# Altium PCB 3CHOE.PcbDoc (part 3 of 3)
Units mm, origin at the board's own origin, x right, y up, seen from the top; angles counter-clockwise.
Board outline 120.98 x 120.98 mm, 2 copper layers (Top Layer, Bottom Layer); 206 components, 141 nets, 709 pads, 2434 vias.
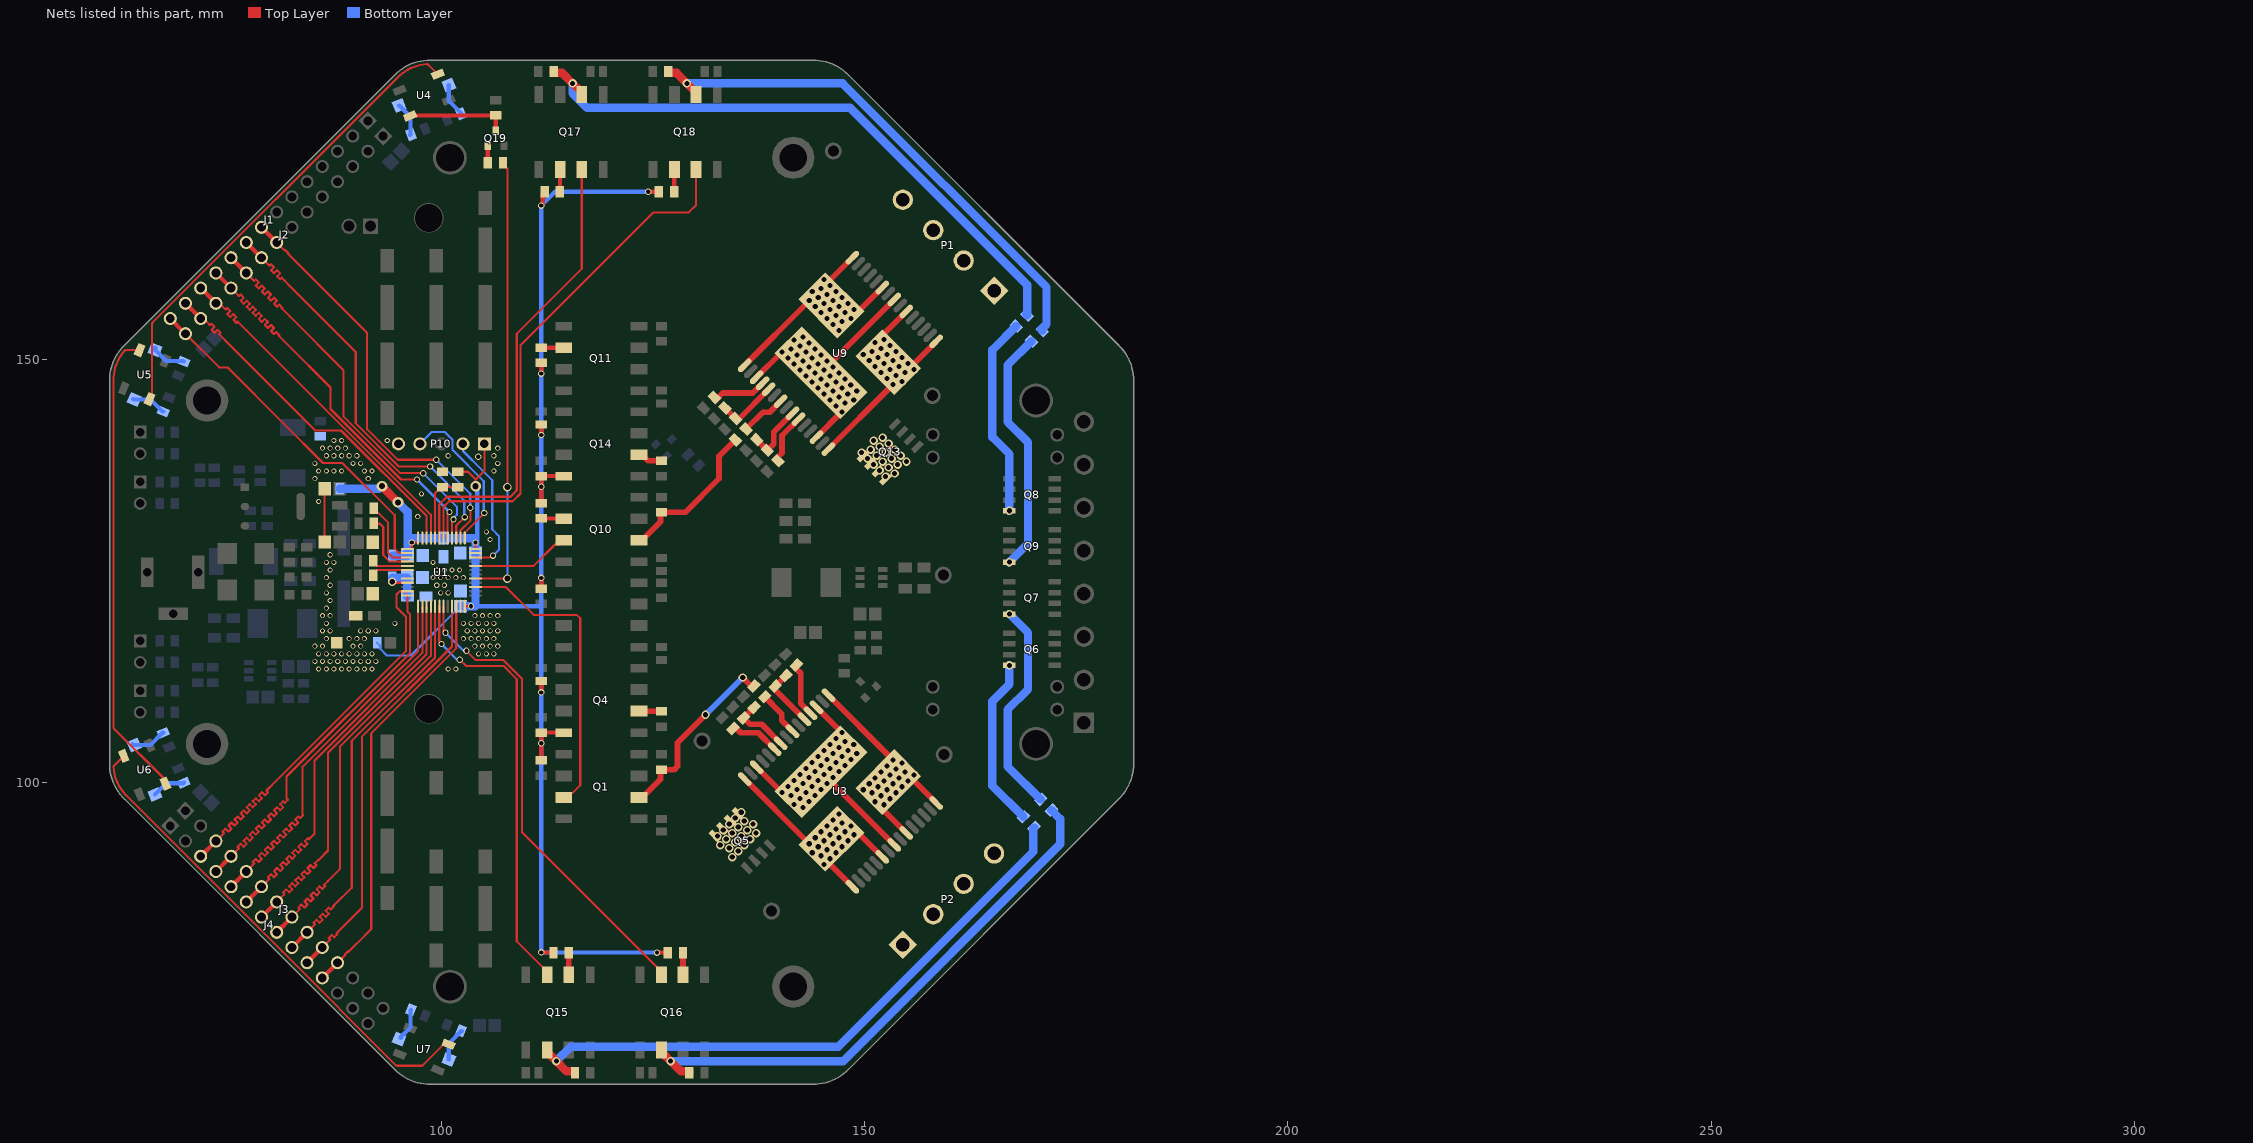
[diagram p3: the nets of this part, all layers, seen from the top]

## Via types
v1: diameter 0.6, hole 0.4, Top Layer to Bottom Layer, tented both sides, 2060 vias
v2: diameter 1, hole 0.6, Top Layer to Bottom Layer, tented both sides, 297 vias
v3: diameter 0.75, hole 0.5, Top Layer to Bottom Layer, tented both sides, 45 vias
v4: diameter 1, hole 0.68, Top Layer to Bottom Layer, tented both sides, 26 vias
v5: diameter 1.27, hole 0.711, Top Layer to Bottom Layer, tented both sides, 5 vias
v6: diameter 2, hole 1.5, Top Layer to Bottom Layer, tented both sides, 1 vias

## Nets (pads, with @x,y where several pads share a name; then routed paths per layer and width w, separated by ;. In a path a pad name is that pad's centre, name@x,y a point inside that pad or via, vN(x,y) a via of type N, cw(c..) or ccw(c..) an arc to the next point about the centre after c; other vN are vias at no path point) (continued)
NetQ4_2: Q4.2 R10.2 | length 2.7
  Top Layer w0.68: Q4.2@123.35,108.43 123.365,108.415 125.985,108.415 R10.2@126,108.4
NetQ6_4: Q6.4 R1.1 | length 20.2
  Bottom Layer w1: v2(167.1,113.83) 167.1,111.6 165.1,109.6 165.1,99.6 R1.1@168.75,95.95
NetQ7_4: Q7.4 R2.1 | length 25.4
  Bottom Layer w1: v2(167.1,119.9) 169.3,117.7 169.3,111 166.9,108.6 166.9,101.9 R2.1@170.8,98
NetQ8_4: Q8.4 R18.1 | length 23.8
  Bottom Layer w1: v2(167.1,132.1) 167.1,138.8 165.1,140.8 165.1,151.1 R18.1@167.92,153.92
NetQ9_4: Q9.4 R20.1 | length 29.2
  Bottom Layer w1: v2(167.1,126.03) 169.3,128.23 169.3,140.2 166.9,142.6 166.9,149.3 R20.1@169.72,152.12
NetQ10_2: Q10.2 R37.2 | length 2.7
  Top Layer w0.5: R37.2@111.8,131.2 111.815,131.185 114.435,131.185 Q10.2@114.45,131.17
NetQ11_2: Q11.2 R40.2 | length 2.7
  Top Layer w0.5: R40.2@111.8,151.37 Q11.2@114.45,151.37
NetQ14_2: Q14.2 R42.2 | length 3
  Top Layer w0.68: Q14.2@123.35,138.73 123.715,138.73 124.01,138.435 124.01,138.398 124.408,138 R42.2@126,138
NetQ15_2: Q15.2 R61.2 | length 2.6
  Top Layer w0.68: Q15.2@115.04,77.282 R61.2@115.04,79.9
NetQ15_6: Q15.6 R1.2 R62.1 | length 74.2
  Top Layer w1: Q15.6@112.5,68.382 112.5,68.017 112.635,67.882 112.77,67.882 v2(113.57,67.082) 114.795,65.857 115.78,65.857 R62.1@115.78,65.682
  Bottom Layer w1: v2(113.57,67.082) 115.288,68.8 146.9,68.8 169.899,91.799 169.899,94.553 R1.2@170.023,94.677
NetQ16_2: Q16.2 R63.2 | length 2.6
  Top Layer w0.68: Q16.2@128.54,77.282 R63.2@128.54,79.9
NetQ16_6: Q16.6 R2.2 R64.1 | length 65.8
  Top Layer w1: Q16.6@126,68.382 126,68.017 126.135,67.882 126.27,67.882 v2(127.07,67.082) 128.295,65.857 129.28,65.857 R64.1@129.28,65.682
  Bottom Layer w1: v2(127.07,67.082) 147.482,67.082 173.1,92.7 173.1,95.7 R2.2@172.073,96.727
NetQ17_2: Q17.2 R65.2 | length 2.6
  Top Layer w0.5: R65.2@114,169.8 114.015,169.815 114.015,172.385 Q17.2@114.03,172.4
NetQ17_6: Q17.6 R18.2 R66.1 | length 72.7
  Top Layer w1: R66.1@113.29,184 113.29,183.825 114.275,183.825 v2(115.5,182.6) 116.3,181.8 116.435,181.8 116.57,181.665 Q17.6@116.57,181.3
  Bottom Layer w1: v2(115.5,182.6) 115.5,181.4 117.2,179.7 148.3,179.7 169.192,158.808 169.192,155.44 169.069,155.316 R18.2@169.192,155.192
NetQ18_2: Q18.2 R67.2 | length 2.6
  Top Layer w0.5: R67.2@127.5,169.8 127.515,169.815 127.515,172.385 Q18.2@127.53,172.4
NetQ18_6: Q18.6 R20.2 R68.1 | length 62.6
  Top Layer w1: R68.1@126.79,184 126.79,183.825 127.775,183.825 v2(129,182.6) 129.8,181.8 129.935,181.8 130.07,181.665 Q18.6@130.07,181.3
  Bottom Layer w1: v2(129,182.6) 147.4,182.6 171.486,158.514 171.486,154.133 170.869,153.516 R20.2@170.992,153.392
NetQ19_1: Q19.1 R26.1 | length 2
  Top Layer w0.5: R26.1@105.475,173.2 Q19.1@105.475,175.215
NetQ19_3: Q19.3 R25.1 U4.4 | length 12
  Top Layer w0.5: U4.4@96.309,178.736 96.309,178.811 R25.1@106.425,178.811 Q19.3@106.425,176.985
NetR12_2: R12.2 R14.1 U3.5 | length 7
  Top Layer w0.68: R14.1@139.331,111.263 139.331,111.037 U3.5@142.898,107.471 ; R14.1@139.444,111.376 R12.2@140.694,112.626
NetR13_1: R13.1 U3.4 | length 6.5
  Top Layer w0.68: R13.1@141.944,113.876 141.82,113.752 141.82,113.526 142.444,112.902 142.444,109.339 U3.4@143.605,108.178
NetR15_1: R15.1 U3.7 | length 5.4
  Top Layer w0.68: R15.1@138.194,110.126 140.194,108.126 140.194,107.346 U3.7@141.484,106.057
NetR16_1: R16.1 R19.2 U3.9 | length 7.4
  Top Layer w0.68: R19.2@136.944,108.876 R16.1@135.694,107.626 136.444,106.876 137.836,106.876 U3.9@140.069,104.642
NetR17_1: R17.1 U3.10 | length 6
  Top Layer w0.68: R17.1@134.444,106.376 134.536,106.468 134.762,106.468 135.354,105.876 137.422,105.876 U3.10@139.362,103.935
NetR27_1: R27.1 SW5.1 | length 3.9
  Bottom Layer w0.5: SW5.1@100.875,182.413 100.875,180.525 R27.1@102.3,179.1
NetR28_1: R28.1 SW6.1 | length 4.3
  Bottom Layer w0.5: SW6.1@66.2,151.4 66.2,151.075 67.488,149.787 69.507,149.787 R28.1@69.574,149.72
NetR29_1: R29.1 SW7.1 | length 4.2
  Bottom Layer w0.5: SW7.1@63.5,104.5 63.56,104.44 65.606,104.44 67.033,105.867 R29.1@67.128,105.867
NetR44_2: R44.2 R46.1 U9.5 | length 7
  Top Layer w0.68: R44.2@133.5,144.25 R46.1@134.75,143 ; R46.1@134.863,142.887 135.089,142.887 U9.5@138.655,146.454
NetR45_1: R45.1 U9.4 | length 6.5
  Top Layer w0.68: R45.1@132.25,145.5 132.374,145.376 132.6,145.376 133.224,146 136.787,146 U9.4@137.948,147.161
NetR47_1: R47.1 U9.7 | length 5.4
  Top Layer w0.68: R47.1@136,141.75 138,143.75 138.78,143.75 U9.7@140.069,145.04
NetR48_1: R48.1 R51.2 U9.9 | length 7.4
  Top Layer w0.68: R51.2@137.25,140.5 R48.1@138.5,139.25 139.25,140 139.25,141.392 U9.9@141.484,143.625
NetR49_1: R49.1 U9.10 | length 6
  Top Layer w0.68: R49.1@139.75,138 139.658,138.092 139.658,138.318 140.25,138.91 140.25,140.978 U9.10@142.191,142.918
NetR50_1: R50.1 SW8.1 | length 3.8
  Bottom Layer w0.5: SW8.1@95.2,69.8 95.2,69.905 96.339,71.044 96.339,73.063 R50.1@96.406,73.13
NetR52_2: R52.2 R53.2 U1.44 | length 8.3
  Top Layer w0.254: U1.44@99.25,128.866 99.25,134.2 99.95,134.9 R52.2@100.125,134.9 R53.2@101.925,134.9
NetR74_2: R74.2 U1.3 | length 8.6
  Top Layer w0.254: R74.2@92,132.4 92,132.225 92.373,131.852 92.548,131.852 93.7,130.7 93.7,127.1 94.209,126.591 U1.3@95.975,126.591
NetR75_2: R75.2 U1.4 | length 7.8
  Top Layer w0.254: R75.2@92,130.6 92.031,130.569 92.732,130.569 93.127,130.174 93.127,126.873 93.909,126.091 U1.4@95.975,126.091
NetR76_2: R76.2 U1.5 | length 4.4
  Top Layer w0.254: R76.2@91.941,126.191 91.941,126.016 92.366,125.591 U1.5@95.975,125.591
NetR77_2: R77.2 U1.6 | length 4.4
  Top Layer w0.254: R77.2@91.941,124.491 91.941,124.666 92.366,125.091 U1.6@95.975,125.091
NetU4_2: U4.2 U5.4 | length 55.8
  Top Layer w0.254: U5.4@65.515,145.29 65.821,145.596 65.821,154.174 cw(c66.075,154.174) 65.895,154.354 94.805,183.263 ccw(c94.484,183.584) 94.81,183.269 cw(c98.611,179.581) 98.248,184.864 cw(c98.263,184.611) 98.443,184.79 U4.2@99.573,183.66
NetU5_2: U5.2 U6.4 | length 55.8
  Top Layer w0.254: U5.2@64.342,151.08 62.742,151.08 ccw(c62.742,150.826) 62.553,150.995 ccw(c66.545,147.515) 61.25,147.435 cw(c60.796,147.428) 61.25,147.428 61.25,106.543 ccw(c61.504,106.543) 61.324,106.364 67.39,100.298 U6.4@67.39,99.865
NetU6_2: U6.2 U7.4 | length 57.9
  Top Layer w0.254: U6.2@62.466,103.129 61.335,101.998 ccw(c61.515,101.819) 61.262,101.803 ccw(c66.545,102.167) 62.726,98.498 62.727,98.497 ccw(c70.048,105.561) 62.741,98.483 ccw(c62.923,98.659) 62.744,98.48 81.177,80.046 94.62,66.603 ccw(c94.8,66.783) 94.8,66.529 97.632,66.529 ccw(c97.632,66.783) 97.812,66.603 100.279,69.071 U7.4@100.836,69.071
OUTA: P1.3 P1.4 U9.1 U9.25 U9.30 U9.32 | length 27.3
  Top Layer w0.68: U9.1@135.827,149.282 143.138,156.594 143.455,156.594 145.223,156.594 U9.32@145.839,156.594 ; U9.30@148.555,162.01 145.839,159.295 145.839,158.693 145.839,157.632 U9.32@145.839,156.594 ; U9.25@152.09,158.475 149.375,155.759 148.758,155.759 147.698,155.759 146.674,155.759 U9.32@146.08,156.353 U9.32@145.839,156.594
  other v2: 146.991,153.39 146.284,154.097 147.344,154.45 145.576,154.804 148.405,154.804 146.637,155.157 144.869,155.511 147.698,155.511 145.93,155.864 148.758,155.864 144.162,156.218 146.991,156.218 145.223,156.571 148.051,156.571 143.455,156.925 146.284,156.925 144.516,157.279 147.344,157.279 145.576,157.632 143.809,157.986 146.637,157.986 144.869,158.339 145.93,158.693 145.223,159.4
OUTA-1: P2.3 P2.4 U3.1 U3.25 U3.30 U3.32 | length 27.3
  Top Layer w0.68: U3.1@145.726,110.299 153.038,102.988 153.038,102.671 153.038,100.903 U3.32@153.038,100.287 ; U3.25@154.919,94.036 152.203,96.751 152.203,97.368 152.203,98.428 152.203,99.452 U3.32@152.797,100.046 U3.32@153.038,100.287 ; U3.30@158.454,97.571 155.739,100.287 155.137,100.287 154.076,100.287 U3.32@153.038,100.287
  other v2: 152.308,97.368 151.248,97.721 153.015,98.075 151.955,98.428 150.894,98.782 153.723,98.782 149.834,99.135 152.662,99.135 151.601,99.489 154.43,99.489 150.541,99.842 153.369,99.842 152.308,100.196 155.137,100.196 151.248,100.55 154.076,100.55 153.015,100.903 155.844,100.903 151.955,101.257 154.783,101.257 153.723,101.61 152.662,101.964 154.43,102.317 153.369,102.671
OUTB: P1.1 P1.2 U9.15 U9.16 U9.21 U9.33 | length 27.3
  Top Layer w0.68: U9.15@145.726,139.383 153.038,146.694 153.038,147.011 153.038,148.779 U9.33@153.038,149.395 ; U9.21@154.919,155.646 152.203,152.931 152.203,152.314 152.203,151.254 152.203,150.23 U9.33@152.797,149.636 U9.33@153.038,149.395 ; U9.16@158.454,152.111 155.739,149.395 155.137,149.395 154.076,149.395 U9.33@153.038,149.395
  other v2: 153.369,147.011 154.43,147.365 152.662,147.718 153.723,148.072 151.955,148.425 154.783,148.425 153.015,148.779 155.844,148.779 151.248,149.132 154.076,149.132 152.308,149.486 155.137,149.486 150.541,149.84 153.369,149.84 151.601,150.193 154.43,150.193 149.834,150.547 152.662,150.547 150.894,150.9 153.723,150.9 151.955,151.254 153.015,151.607 151.248,151.961 152.308,152.314
OUTB-1: P2.1 P2.2 U3.15 U3.16 U3.21 U3.33 | length 27.3
  Top Layer w0.68: U3.15@135.827,100.4 143.138,93.088 143.455,93.088 145.223,93.088 U3.33@145.839,93.088 ; U3.16@148.555,87.672 145.839,90.387 145.839,90.989 145.839,92.05 U3.33@145.839,93.088 ; U3.21@152.09,91.207 149.375,93.923 148.758,93.923 147.698,93.923 146.674,93.923 U3.33@146.08,93.329 U3.33@145.839,93.088
  other v2: 145.223,90.282 145.93,90.989 144.869,91.343 143.809,91.696 146.637,91.696 145.576,92.05 144.516,92.403 147.344,92.403 143.455,92.757 146.284,92.757 145.223,93.111 148.051,93.111 144.162,93.464 146.991,93.464 145.93,93.818 148.758,93.818 144.869,94.171 147.698,94.171 146.637,94.525 145.576,94.878 148.405,94.878 147.344,95.232 146.284,95.585 146.991,96.292
PA1: J3.3 J4.3 U1.11 | length 50
  Top Layer w0.254: J3.3@73.353,93.073 73.37,93.073 74.214,93.916 74.303,94.006 74.124,94.186 74.483,94.545 74.842,94.186 75.201,94.545 74.842,94.904 75.201,95.263 75.561,94.904 75.92,95.263 75.561,95.622 75.92,95.982 76.279,95.622 76.638,95.982 76.279,96.341 76.638,96.7 76.997,96.341 77.357,96.7 76.997,97.059 77.357,97.419 77.716,97.059 78.075,97.419 77.716,97.778 78.075,98.137 78.434,97.778 78.793,98.137 78.434,98.496 78.793,98.855 79.153,98.496 79.512,98.855 79.325,99.042 79.684,99.401 79.691,99.394 79.949,99.651 95.8,115.503 95.8,119.604 94.7,120.704 94.7,122.2 95.089,122.589 95.973,122.589 U1.11@95.975,122.591
  Top Layer w0.5: J4.3@71.557,91.277 J3.3@73.353,93.073
PA2: J3.4 J4.4 U1.12 | length 50
  Top Layer w0.254: J3.4@75.149,91.277 76.001,92.129 76.091,92.219 75.911,92.398 76.27,92.758 76.629,92.398 76.989,92.758 76.629,93.117 76.989,93.476 77.348,93.117 77.707,93.476 77.348,93.835 77.707,94.194 78.066,93.835 78.425,94.194 78.066,94.554 78.425,94.913 78.785,94.554 79.144,94.913 78.785,95.272 79.144,95.631 79.503,95.272 79.862,95.631 79.503,95.991 79.862,96.35 80.221,95.991 80.581,96.35 80.221,96.709 80.581,97.068 80.94,96.709 81.299,97.068 80.94,97.427 81.299,97.787 81.484,97.601 81.844,97.961 81.7,98.104 81.7,98.3 81.7,100.696 96.3,115.296 96.3,119.874 95.975,120.199 U1.12@95.975,122.091
  Top Layer w0.5: J4.4@73.353,89.481 J3.4@75.149,91.277
PA3: J3.5 J4.5 U1.13 | length 50
  Top Layer w0.254: J3.5@76.945,89.481 77.797,90.333 77.887,90.423 77.707,90.602 78.066,90.962 78.425,90.602 78.785,90.962 78.425,91.321 78.785,91.68 79.144,91.321 79.503,91.68 79.144,92.039 79.503,92.398 79.862,92.039 80.221,92.398 79.862,92.758 80.221,93.117 80.581,92.758 80.94,93.117 80.581,93.476 80.94,93.835 81.299,93.476 81.658,93.835 81.299,94.194 81.658,94.554 82.018,94.194 82.377,94.554 82.018,94.913 82.377,95.272 82.736,94.913 83.095,95.272 82.736,95.631 83.095,95.991 83.298,95.788 83.657,96.147 83.6,96.204 83.6,96.4 83.6,101.873 97.25,115.523 U1.13@97.25,120.816
  Top Layer w0.5: J4.5@75.149,87.685 J3.5@76.945,89.481
PA4: J3.6 J4.6 U1.14 | length 50
  Top Layer w0.254: J3.6@78.741,87.685 79.593,88.537 79.683,88.627 79.503,88.806 79.862,89.166 80.222,88.806 80.581,89.166 80.222,89.525 80.581,89.884 80.94,89.525 81.299,89.884 80.94,90.243 81.299,90.602 81.658,90.243 82.018,90.602 81.658,90.962 82.018,91.321 82.377,90.962 82.736,91.321 82.377,91.68 82.736,92.039 83.095,91.68 83.454,92.039 83.095,92.398 83.454,92.758 83.814,92.398 84.173,92.758 83.866,93.064 84.226,93.423 84.352,93.296 84.82,93.764 85,93.944 85,102.566 97.75,115.316 U1.14@97.75,120.816
  Top Layer w0.5: J4.6@76.945,85.889 J3.6@78.741,87.685
PA5: J3.7 J4.7 U1.15 | length 50
  Top Layer w0.254: J3.7@80.489,85.889 J3.7@80.537,85.889 81.389,86.741 81.479,86.831 81.299,87.01 81.658,87.369 82.018,87.01 82.377,87.369 82.018,87.729 82.377,88.088 82.736,87.729 83.095,88.088 82.736,88.447 83.095,88.806 83.454,88.447 83.814,88.806 83.454,89.166 83.814,89.525 84.173,89.166 84.532,89.525 84.173,89.884 84.532,90.243 84.891,89.884 85.25,90.243 85.04,90.454 85.399,90.813 85.43,90.782 85.592,90.944 86.6,91.952 86.6,103.524 98.25,115.174 U1.15@98.25,120.816
  Top Layer w0.5: J4.7@78.741,84.093 80.3,85.652 80.3,85.7 J3.7@80.489,85.889
PA6: J3.8 J4.8 U1.16 | length 50
  Top Layer w0.254: J3.8@82.333,84.093 83.185,84.945 83.275,85.035 83.095,85.214 83.454,85.573 83.814,85.214 84.173,85.573 83.814,85.933 84.173,86.292 84.532,85.933 84.891,86.292 84.532,86.651 84.891,87.01 85.25,86.651 85.61,87.01 85.25,87.369 85.61,87.729 85.924,87.415 86.283,87.774 86.148,87.908 86.56,88.32 88,89.76 88,104.217 98.75,114.967 U1.16@98.75,120.816
  Top Layer w0.5: J4.8@80.537,82.297 J3.8@82.333,84.093
PA7: J3.9 J4.9 U1.17 | length 50
  Top Layer w0.254: J3.9@84.129,82.297 84.981,83.149 85.071,83.239 84.891,83.418 85.25,83.777 85.61,83.418 85.969,83.777 85.61,84.137 85.969,84.496 86.328,84.137 86.687,84.496 86.328,84.855 86.687,85.214 86.915,84.986 87.275,85.345 87.226,85.394 87.369,85.537 89.4,87.568 89.4,104.909 99.25,114.759 U1.17@99.25,120.816
  Top Layer w0.5: J4.9@82.333,80.501 J3.9@84.129,82.297
PA15: J1.8 J2.8 U1.38 | length 50.3
  Top Layer w0.254: J2.8@80.537,163.793 81.389,162.941 81.479,162.851 81.534,162.906 81.893,162.547 81.838,162.492 82.584,161.746 82.653,161.677 91.225,153.105 91.225,141.725 94.823,138.127 v3(99.393,138.127) ; U1.38@102.25,128.866 102.252,128.868 102.252,129.783 103.45,130.981 103.45,132.411 v3(103.405,132.456)
  Top Layer w0.5: J1.8@78.741,165.589 J2.8@80.537,163.793
  Bottom Layer w0.254: v3(99.393,138.127) 103.405,134.115 v3(103.405,132.456)
PB3: J1.9 J2.9 U1.39 | length 50.3
  Top Layer w0.254: J2.9@78.741,161.997 79.593,161.145 79.683,161.055 79.862,161.235 80.221,160.876 79.862,160.516 80.221,160.157 80.581,160.516 80.94,160.157 80.581,159.798 80.94,159.439 81.142,159.641 81.502,159.282 81.479,159.259 82.204,158.534 89.875,150.863 89.875,142.433 94.97,137.337 v3(98.663,137.337) ; U1.39@101.75,128.866 101.75,130.35 v3(102.748,131.348)
  Top Layer w0.5: J1.9@76.945,163.793 J2.9@78.741,161.997
  Bottom Layer w0.254: v3(98.663,137.337) 102.703,133.297 102.703,131.393 v3(102.748,131.348)
PB4: J1.10 J2.10 U1.40 | length 50.3
  Top Layer w0.254: J2.10@76.945,160.201 77.797,159.349 77.886,159.259 78.066,159.439 78.425,159.08 78.066,158.72 78.425,158.361 78.785,158.72 79.144,158.361 78.785,158.002 79.144,157.643 79.503,158.002 79.862,157.643 79.503,157.283 79.862,156.924 80.221,157.283 80.581,156.924 80.221,156.565 80.581,156.206 80.834,156.459 81.193,156.1 81.119,156.026 82.128,155.018 88.411,148.735 88.411,143.255 95.122,136.544 v3(97.85,136.544) ; U1.40@101.25,128.866 101.25,130.901 v3(101.43,131.081)
  Top Layer w0.5: J1.10@75.149,161.997 J2.10@76.945,160.201
  Bottom Layer w0.254: v3(97.85,136.544) v3(97.85,136.544) 101.825,132.567 101.825,131.611 101.43,131.216 v3(101.43,131.081)
PB5: J1.11 J2.11 U1.41 | length 50.3
  Top Layer w0.254: J2.11@75.149,158.405 76.001,157.553 76.09,157.463 76.27,157.643 76.629,157.283 76.27,156.924 76.629,156.565 76.988,156.924 77.348,156.565 76.988,156.206 77.348,155.847 77.707,156.206 78.066,155.847 77.707,155.487 78.066,155.128 78.425,155.487 78.785,155.128 78.425,154.769 78.785,154.41 79.144,154.769 79.503,154.41 79.144,154.051 79.503,153.691 79.862,154.051 80.221,153.691 79.862,153.332 80.221,152.973 80.477,153.229 80.836,152.87 80.76,152.793 81.739,151.815 86.9,146.653 86.9,144.124 95.231,135.793 v3(97.118,135.793) ; U1.41@100.75,128.866 100.728,128.888 100.728,131.729 v3(100.955,131.956)
  Top Layer w0.5: J1.11@73.353,160.201 J2.11@75.149,158.405
  Bottom Layer w0.254: v3(97.118,135.793) v3(100.955,131.956)
PB6: R59.2 SW8.2 | length 4
  Bottom Layer w0.5: SW8.2@100.875,67.269 100.875,69.152 102.322,70.6 R59.2@102.4,70.6
PB8: J1.12 J2.12 U1.45 | length 43
  Top Layer w0.254: J2.12@73.353,156.609 73.773,156.609 74.415,155.967 74.505,155.877 74.684,156.057 75.043,155.698 74.684,155.338 75.043,154.979 75.403,155.338 75.762,154.979 75.431,154.649 75.79,154.289 75.941,154.44 76.948,153.433 98.75,131.632 U1.45@98.75,128.866
  Top Layer w0.5: J1.12@71.556,158.405 J2.12@73.353,156.609
PB9: J1.13 J2.13 U1.46 | length 43
  Top Layer w0.254: J2.13@71.556,154.813 71.867,154.813 72.564,154.116 72.653,154.026 72.833,154.206 73.192,153.846 72.833,153.487 73.192,153.128 73.54,153.475 73.899,153.116 73.731,152.948 74.911,151.769 85.096,141.583 88.142,141.583 98.25,131.475 U1.46@98.25,128.866
  Top Layer w0.5: J1.13@69.76,156.609 J2.13@71.556,154.813
PC0: R58.2 SW7.2 | length 4.1
  Bottom Layer w0.5: SW7.2@66.143,98.564 67.475,99.895 69.495,99.895 R58.2@69.6,100
PC4: R56.2 SW5.2 | length 4.1
  Bottom Layer w0.5: SW5.2@95.008,179.983 96.339,178.651 96.339,176.539 R56.2@96.3,176.5
PC13: J1.14 J2.14 U1.2 | length 41.8
  Top Layer w0.254: J2.14@69.48,153.297 J2.14@69.76,153.017 73.737,149.04 74.716,149.04 81.367,142.389 86.006,137.75 88.287,137.75 94.476,131.561 94.476,127.6 94.983,127.093 95.973,127.093 U1.2@95.975,127.091
  Top Layer w0.5: J1.14@67.964,154.813 J2.14@69.48,153.297
PE6: R57.2 SW6.2 | length 4.1
  Bottom Layer w0.5: SW6.2@63.6,145.3 63.658,145.242 65.606,145.242 67.033,143.815 R57.2@67.128,143.815
PWM: Q10.3 U1.32 | length 11.7
  Top Layer w0.254: U1.32@104.025,125.591 104.027,125.593 110.893,125.593 113.422,128.122 113.942,128.122 Q10.3@114.45,128.63
PWM-1: Q1.3 U1.27 | length 36.2
  Top Layer w0.254: U1.27@104.025,123.091 107.609,123.091 110.9,119.8 116,119.8 116.4,119.4 116.4,99.671 115.467,98.738 114.958,98.738 Q1.3@114.45,98.23
PWM-M: Q10.6 R38.1 R47.2 | length 18.4
  Top Layer w0.68: Q10.6@123.35,128.63 123.715,128.63 125.873,130.788 125.873,131.783 R38.1@126,131.91 128.81,131.91 132.8,135.9 132.8,138.55 R47.2@134.727,140.477
PWM-M-1: Q1.6 R4.1 R15.2 | length 22.1
  Top Layer w0.68: Q1.6@123.35,98.23 123.715,98.23 125.873,100.388 125.873,101.383 R4.1@126,101.51 127.502,101.51 127.9,101.908 127.9,104.7 v2(131.2,108) ; v2(135.6,112.4) 136.648,111.352 136.874,111.352 R15.2@136.921,111.399
  Bottom Layer w0.68: v2(131.2,108) v2(135.6,112.4)
SWCLK: P10.4 U1.37 | length 18.3
  Top Layer w0.254: U1.37@102.752,129.514 105.055,131.817 v3(105.055,131.837)
  Bottom Layer w0.254: P10.4@97.46,140 98.86,141.4 100.4,141.4 101.3,140.5 101.3,139.308 105.003,135.605 105.003,131.889 v3(105.055,131.837)
SWDIO: P10.2 U1.34 | length 17.4
  Top Layer w0.254: U1.34@104.025,126.591 105.757,126.591 105.966,126.8 v3(106.1,126.8)
  Bottom Layer w0.254: P10.2@102.54,140 102.54,139.16 104.885,136.815 106,135.7 106,129.899 106.8,129.099 106.8,127.5 v3(106.1,126.8)
UART_RX: J3.11 J4.11 U1.22 | length 50
  Top Layer w0.254: J3.11@87.721,78.705 88.573,79.557 88.663,79.646 88.598,79.712 88.957,80.071 89.022,80.006 89.958,80.942 89.978,80.962 91.7,82.683 91.7,105.795 101.752,115.847 U1.22@101.752,120.168
  Top Layer w0.5: J4.11@85.925,76.909 J3.11@87.721,78.705
UART_TX: J3.10 J4.10 U1.21 | length 50
  Top Layer w0.254: J3.10@85.925,80.501 86.777,81.353 86.867,81.442 86.687,81.622 87.046,81.981 87.328,81.7 87.687,82.059 87.585,82.161 88.343,82.918 90.6,85.176 90.6,105.402 101.25,116.052 U1.21@101.25,120.816
  Top Layer w0.5: J4.10@84.129,78.705 J3.10@85.925,80.501
VCC-M: Q13.5 Q13.6 Q13.7 Q13.8 U9.3 U9.13 U9.23 U9.31 | length 37.1
  Top Layer w0.68: U9.3@137.241,147.868 140.233,150.86 142.381,150.86 U9.31@144.842,148.398 ; U9.31@141.011,149.849 141.53,149.33 142.352,148.508 U9.31@144.12,148.508 ; U9.31@144.12,148.434 144.806,148.434 U9.31@144.842,148.398 ; U9.13@144.312,140.797 147.302,143.787 147.302,145.938 U9.31@146.291,146.949 ; U9.31@145.195,148.045 U9.31@145.902,147.338 ; U9.31@146.291,144.496 U9.31@146.291,146.264 ; U9.23@153.504,157.06 v2(145.181,148.738) U9.31@144.842,148.398
  other v2: 152.472,136.148 153.533,136.501 151.765,136.855 152.825,137.208 151.058,137.562 153.886,137.562 152.118,137.915 154.947,137.915 150.351,138.269 153.179,138.269 151.411,138.623 154.24,138.623 149.643,138.976 152.472,138.976 150.704,139.33 153.533,139.33 151.765,139.683 152.825,140.037 151.058,140.39 152.118,140.744 147.302,143.789 146.595,144.496 147.656,144.849 145.888,145.203 148.716,145.203 146.949,145.556 145.181,145.91 148.009,145.91 146.242,146.264 149.07,146.264 144.474,146.617 147.302,146.617 145.534,146.971 148.363,146.971 143.767,147.324 146.595,147.324 144.827,147.678 147.656,147.678 143.06,148.031 145.888,148.031 144.12,148.385 146.949,148.385 142.352,148.738 143.413,149.092 146.242,149.092 141.645,149.446 144.474,149.446 142.706,149.799 145.534,149.799 140.938,150.153 143.767,150.153 141.999,150.506 144.827,150.506 140.231,150.86 143.06,150.86 141.292,151.213 144.12,151.213 142.352,151.567 143.413,151.92 141.645,152.274 142.706,152.627
VCC-M-1: Q5.5 Q5.6 Q5.7 Q5.8 U3.3 U3.13 U3.23 U3.31 | length 37.1
  Top Layer w0.68: U3.13@137.241,101.814 140.231,98.824 142.382,98.824 U3.31@143.393,99.835 ; U3.31@140.94,99.835 U3.31@142.708,99.835 ; U3.31@143.782,100.224 U3.31@144.489,100.931 ; U3.3@144.312,108.885 147.304,105.893 147.304,103.745 U3.31@144.842,101.284 ; U3.31@144.878,102.006 144.878,101.32 U3.31@144.842,101.284 ; U3.31@144.952,102.006 144.952,103.774 145.774,104.596 U3.31@146.293,105.115 ; U3.23@153.504,92.622 v2(145.182,100.945) U3.31@144.842,101.284
  other v2: 134.359,91.179 135.067,91.886 134.006,92.24 132.945,92.593 135.774,92.593 134.713,92.947 133.652,93.301 136.481,93.301 132.592,93.654 135.42,93.654 134.359,94.008 137.188,94.008 133.299,94.361 136.127,94.361 135.067,94.715 134.006,95.068 136.834,95.068 135.774,95.422 134.713,95.775 135.42,96.483 142.708,97.056 141.647,97.41 143.415,97.763 142.354,98.117 141.293,98.47 144.122,98.47 140.233,98.824 143.061,98.824 142,99.177 144.829,99.177 140.94,99.531 143.768,99.531 142.708,99.884 145.536,99.884 141.647,100.238 144.475,100.238 143.415,100.592 146.243,100.592 142.354,100.945 144.122,101.299 146.95,101.299 143.061,101.652 145.89,101.652 144.829,102.006 147.657,102.006 143.768,102.359 146.597,102.359 145.536,102.713 148.364,102.713 144.475,103.066 147.304,103.066 146.243,103.42 149.071,103.42 145.182,103.774 148.011,103.774 146.95,104.127 145.89,104.481 148.718,104.481 147.657,104.834 146.597,105.188 147.304,105.895
VDD_MCU: C11.1 C23.1 C47.2 C48.2 C49.2 C53.1 FB2.1 P10.1 Q4.8 Q14.8 R3.1 R8.1 R11.1 R37.1 R40.1 R43.1 R53.1 R61.1 R63.1 R65.1 R67.1 R78.1 R80.1 U1.1 U1.24 U1.36 U1.48 | length 212
  Top Layer w0.254: U1.1@95.975,127.591 96.5,127.591 v3(96.5,128.341) 97.25,128.341 U1.48@97.25,128.866 ; R53.1@101.925,136.7 103.134,136.7 104.041,135.792 ; U1.24@102.75,120.816 v3(103.5,120.816) ; U1.36@104.025,127.591 v3(104.025,128.341) ; P10.1@105.08,140 105.08,136.831 104.041,135.792 ; 104.041,135.792 v5(104.041,134.996) 104.041,135.792
  Top Layer w0.5: R3.1@111.8,102.6 v3(111.8,104.622) R11.1@111.8,105.89 Q4.8@114.45,105.89 ; v3(111.8,110.641) C11.1@111.8,111.908 ; R8.1@111.8,122.9 v3(111.8,124.168) ; R37.1@111.8,133 v3(111.8,134.932) R43.1@111.8,136.2 111.805,136.195 114.445,136.195 Q14.8@114.45,136.19 ; v3(111.8,141.042) C23.1@111.8,142.31 ; v3(111.8,148.302) R40.1@111.8,149.57 ; v3(111.8,168.15) 111.8,168.218 111.957,168.375 111.957,169.557 R65.1@112.2,169.8 ; v3(111.806,79.919) 111.813,79.913 113.227,79.913 R61.1@113.24,79.9 ; v3(124.432,169.8) R67.1@125.7,169.8 ; v3(125.472,79.9) R63.1@126.74,79.9
  Top Layer w1: v5(92.972,135) v5(94.882,133.09)
  Bottom Layer w0.254: R80.1@92.4,116.5 92.773,116.127 92.773,115.777 93.55,115 96.408,115 102.224,120.816 C49.2@102.25,120.816
  Bottom Layer w0.5: 104.025,120.816 111.8,120.816 ; 104.025,128.867 104.23,129.072 104.23,134.807 v5(104.041,134.996) ; v3(124.432,169.8) 113.45,169.8 v3(111.8,168.15) v3(111.8,148.302) v3(111.8,141.042) v3(111.8,134.932) v3(111.8,124.168) 111.8,120.816 ; v3(125.472,79.9) 125.463,79.909 111.816,79.909 v3(111.806,79.919) 111.8,79.925 v3(111.8,104.622) v3(111.8,110.641) 111.8,120.816
  Bottom Layer w1: R78.1@87.999,134.7 92.6,134.7 92.9,135 v5(92.972,135) ; FB2.1@94.2,126.8 C47.2@95.999,126.8 95.999,128.867 ; v5(94.882,133.09) 95.999,131.973 95.999,128.867 ; C49.2@102.25,120.816 v3(103.5,120.816) 104.025,120.816 C48.2@104.025,127.091 v3(104.025,128.341) 104.025,128.867 C53.1@100.251,128.867 95.999,128.867
VDDA_MCU: C52.2 C54.1 FB2.2 U1.9 | length 5.8
  Top Layer w0.254: v4(94.2,123.7) 94.307,123.593 95.973,123.593 U1.9@95.975,123.591
  Bottom Layer w1: FB2.2@94.2,124.2 C52.2@95.975,124.2 ; C54.1@95.975,121.966 C52.2@95.975,124.2 ; C52.2@95.975,124.216 C52.2@95.975,124.2
VL1: Q15.3 U1.18 | length 51.6
  Top Layer w0.254: U1.18@99.75,120.816 99.75,116.6 v3(100,116.35) ; v3(102.175,114.5) 102.9,113.775 107.325,113.775 108.9,112.2 108.9,81.247 112.5,77.647 Q15.3@112.5,77.282
  Bottom Layer w0.254: v3(100,116.35) 101.755,114.595 102.08,114.595 v3(102.175,114.5)
VL2: Q16.3 U1.19 | length 56.3
  Top Layer w0.254: U1.19@100.25,120.816 100.25,117.9 v3(100.475,117.675) ; v3(102.95,115.55) 104.05,114.45 107.327,114.45 109.5,112.277 109.5,94.147 120.847,82.8 126,77.647 Q16.3@126,77.282
  Bottom Layer w0.254: v3(100.475,117.675) 102.505,115.645 102.855,115.645 v3(102.95,115.55)
VL3: Q18.3 U1.42 | length 62.7
  Top Layer w0.254: U1.42@100.25,128.866 U1.42@100.25,128.866 100.252,132.552 100.915,133.215 108.415,133.215 109.346,134.146 109.346,151.646 125.05,167.35 129.225,167.35 130.07,168.195 Q18.3@130.07,172.4
VL4: Q17.3 U1.43 | length 54.9
  Top Layer w0.254: U1.43@99.75,128.866 99.75,132.85 100.656,133.756 108.156,133.756 108.892,134.492 108.892,153.017 116.57,160.695 Q17.3@116.57,172.4
VSS_MCU: C15.2 C36.2 C37.2 C38.2 C39.2 C47.1 C48.1 C49.1 C52.1 C53.2 C54.2 P10.5 R52.1 R79.1 RESET1.1 U1.8 U1.23 U1.35 U1.47 | length 6.3
  Top Layer w0.254: C37.2@86.198,128.4 C36.2@86.198,134.7
  other v1: 85.5,113.4 86.4,113.4 87.3,113.4 88.2,113.4 89.1,113.4 90,113.4 90.9,113.4 91.8,113.4 100.8,113.4 101.7,113.4 85.05,114.3 85.95,114.3 86.85,114.3 87.75,114.3 88.65,114.3 89.55,114.3 90.45,114.3 91.35,114.3 92.25,114.3 85.5,115.2 86.4,115.2 87.3,115.2 88.2,115.2 89.1,115.2 90,115.2 90.9,115.2 91.8,115.2 104.4,115.2 105.3,115.2 106.2,115.2 85.05,116.1 85.95,116.1 89.55,116.1 90.45,116.1 103.95,116.1 104.85,116.1 105.75,116.1 106.65,116.1 86.4,117 89.1,117 90,117 90.9,117 102.6,117 103.5,117 104.4,117 105.3,117 106.2,117 85.95,117.9 86.85,117.9 90.45,117.9 91.35,117.9 92.25,117.9 103.05,117.9 103.95,117.9 104.85,117.9 105.75,117.9 106.65,117.9 86.4,118.8 94.5,118.8 102.6,118.8 103.5,118.8 104.4,118.8 105.3,118.8 106.2,118.8 85.95,119.7 86.85,119.7 103.95,119.7 104.85,119.7 105.75,119.7 106.65,119.7 86.4,120.6 86.85,121.5 86.4,122.4 99.9,122.4 100.8,122.4 86.85,123.3 99.45,123.3 100.35,123.3 86.4,124.2 99,124.2 99.9,124.2 100.8,124.2 101.7,124.2 102.6,124.2 86.85,125.1 99.45,125.1 100.35,125.1 101.25,125.1 102.15,125.1 86.4,126 87.3,126 99,126 86.85,126.9 105.75,128.7 105.3,129.6 97.2,131.4 85.5,133.2 97.65,134.1 85.05,135.9 91.35,135.9 85.5,136.8 86.4,136.8 87.3,136.8 88.2,136.8 90.9,136.8 91.8,136.8 106.2,136.8 85.05,137.7 89.55,137.7 90.45,137.7 106.65,137.7 86.4,138.6 87.3,138.6 88.2,138.6 89.1,138.6 90,138.6 100.8,138.6 106.2,138.6 85.95,139.5 86.85,139.5 87.75,139.5 88.65,139.5 106.65,139.5 87.3,140.4 88.2,140.4 93.6,140.4
  other v3: 104.351,138.48
WSData: R26.2 U1.29 | length 53.1
  Top Layer w0.254: U1.29@104.025,124.091 v4(107.8,124.091) ; R26.2@107.275,173.2 107.275,173.025 107.648,172.652 107.651,172.652 107.8,172.503 v4(107.8,134.9)
  Bottom Layer w0.254: v4(107.8,124.091) v4(107.8,134.9)
pads on no net: Q1.1 Q1.4 Q1.7 Q2.1 Q2.4 Q2.7 Q4.1 Q4.4 Q4.7 Q10.1 Q10.4 Q10.7 Q11.1 Q11.4 Q11.7 Q14.1 Q14.4 Q14.7 Q15.1 Q15.4 Q15.7 Q16.1 Q16.4 Q16.7 Q17.1 Q17.4 Q17.7 Q18.1 Q18.4 Q18.7 RPI.0 U1.10 U1.20 U1.28 U1.30 U2.5 U3.2 U3.6 U3.8 U3.14 U3.17 U3.22 U3.24 U3.29 U7.2 U9.2 U9.6 U9.8 U9.14 U9.17 U9.22 U9.24 U9.29 U10.5

## Polygon pours and split planes (outlines as drawn)
VSS_MCU on Top Layer "VSS_MCU_L01_P004" (solid, remove dead copper, pour order 4): 83.9,141.9 83.9,112.6 107.8,112.6 107.8,141.9
GND-D on Top Layer "GND-D_L01_P002" (solid, remove dead copper, pour order 2): 118.9,176.9 107.6,176.9 107.6,184.997 95.896,184.997 60.796,149.896 60.796,99.786 96.23,64.352 107.6,64.352 107.6,72.8 118.9,72.8 118.9,112.6 107.8,112.6 107.8,141.9 83.9,141.9 83.9,112.6 118.9,112.6
GND-D on Bottom Layer "GND-D_L02_P003" (solid, remove dead copper, pour order 3): 118.9,176.9 107.6,176.9 107.6,184.997 95.896,184.997 60.796,149.896 60.796,99.786 96.23,64.352 107.6,64.352 107.6,72.8 118.9,72.8 118.9,112.6 107.8,112.6 107.8,141.9 83.9,141.9 83.9,112.6 118.9,112.6
VSS_MCU on Bottom Layer "VSS_MCU_L02_P005" (solid, remove dead copper, pour order 5): 83.9,141.9 83.9,112.6 107.8,112.6 107.8,141.9

## Keep-outs
Keep-Out Layer:
  the board outline again, w0.254

## Other copper
Top Layer:
  region net VCC-M: 155.814,137.909 151.773,141.95 148.803,138.98 152.844,134.939
  region net MotorVCC: 153.599,141.085 155.906,138.778 159.016,141.887 156.708,144.195
  region net MotorVCC: 137.529,92.527 135.222,90.22 138.331,87.11 140.639,89.418
  region net VCC-M-1: 134.353,90.312 138.394,94.353 135.424,97.323 131.383,93.282
  rectangle net GND-M: 164.4,133.1 167.8,136.2
  rectangle net GND-M: 164.4,127.03 167.8,130.13
  rectangle net GND-M: 164.4,120.9 167.8,124
  rectangle net GND-M: 164.4,114.83 167.8,117.93
  pour cut-out: 84.583,115.438 77.859,115.438 77.859,122.162 84.583,122.162
  pour cut-out: 83.875,101.8 87.725,105.65 92.8,105.65 92.8,102.925 91.7,101.825 91.7,84.075 83.875,96.175 83.875,97.125
  pour cut-out: 86.525,145.85 91.55,151.875 91.513,141.437
Bottom Layer:
  region net OUTA: 160.375,165.375 154.625,171.125 141.377,157.877 147.127,152.127
  region net OUTB: 148.571,150.683 154.321,144.933 167.569,158.181 161.819,163.931
  region net MotorVCC: 153.714,141.201 158.515,136.4 162.515,140.4 157.714,145.201
  region net MotorVCC: 161.265,141.65 146.347,126.733 149.883,123.197 164.8,138.115
  region net VCC-M: 156.21,137.71 141.292,152.627 137.841,149.177 152.759,134.259
  region net VCC-M: 152.5,143.9 142.532,153.868 140.953,152.288 150.92,142.32
  region net VCC-M-1: 140.344,93.626 150.312,103.594 148.732,105.173 138.764,95.206
  region net VCC-M-1: 134.154,89.916 149.071,104.834 145.621,108.285 130.703,93.367
  region net MotorVCC: 138.094,84.861 131.878,91.078 128.342,87.542 134.559,81.326
  region net MotorVCC: 137.645,92.412 132.844,87.611 136.844,83.611 141.645,88.412
  region net OUTB-1: 147.127,97.555 141.377,91.805 154.625,78.557 160.375,84.307
  region net OUTA-1: 161.819,85.751 167.569,91.501 154.321,104.749 148.571,98.999
  pour cut-out: 84.583,115.438 84.583,122.162 77.859,122.162 77.859,115.438

## Silkscreen, mask and mechanical layers (free items; w line width, h text height)
Top Overlay:
  circle w0.254: c72.319,145.123 r2.5
  circle w0.254: c72.319,104.559 r2.5
  circle w0.254: c170.251,104.559 r2.5
  circle w0.254: c170.251,145.123 r2.5
  circle w0.254: c101.003,75.875 r2.5
  circle w0.254: c141.567,75.875 r3.4
  circle w0.254: c141.567,173.807 r3.4
  circle w0.254: c101.003,173.807 r2.5
  lines w0.254: 69.761,96.665 67.965,94.869 ; 93.109,176.365 91.313,178.161 ; 99.5,124.841 100.5,124.841 ; 100,124.341 100,125.341 ; 104.775,65.944 104.775,68.484 ; 137.795,181.198 137.795,183.738 ; 149.461,73.317 151.257,71.521 ; 174.605,154.813 172.809,153.017 ; 67.965,94.869 67.965,94.869 ; 91.313,178.161 91.313,178.161 ; 151.257,71.521 151.257,71.521 ; 172.809,153.017 172.809,153.017
Bottom Overlay:
  circle w0.254: c72.319,145.123 r2.5
  circle w0.254: c72.319,104.559 r2.5
  circle w0.254: c170.251,104.559 r2.5
  circle w0.254: c170.251,145.123 r2.5
  circle w0.254: c101.003,75.875 r2.5
  circle w0.254: c141.567,75.875 r3.4
  circle w0.254: c141.567,173.807 r3.4
  circle w0.254: c101.003,173.807 r2.5
  lines w0.254: 177.642,113.411 180.182,113.411 ; 177.642,136.271 180.182,136.271 ; 60.796,102.256 ccw(c66.545,102.167) 61.233,99.967 ccw(c66.545,102.167) 62.542,98.04 94.482,66.099 ccw(c98.611,70.101) 96.411,64.789 ccw(c98.611,70.101) 98.698,64.352 143.87,64.352 ccw(c143.959,70.101) 146.159,64.789 ccw(c143.959,70.101) 148.086,66.098 180.027,98.038 ccw(c176.025,102.167) 181.337,99.967 ccw(c176.025,102.167) 181.774,102.254 181.774,147.426 ccw(c176.025,147.515) 181.337,149.715 ccw(c176.025,147.515) 180.028,151.642 148.088,183.583 ccw(c143.959,179.581) 146.159,184.893 ccw(c143.959,179.581) 143.872,185.33 98.7,185.33 ccw(c98.611,179.581) 96.411,184.893 ccw(c98.611,179.581) 94.484,183.584 62.543,151.644 ccw(c66.545,147.515) 61.233,149.715 ccw(c66.545,147.515) 60.796,147.428 60.796,102.256
  text "Contact: 09333050951" at 178.516,117.975 h1.52 r270

## Text inside footprints (layer, text, board x,y; h text height)
RPI: Top Overlay "TYPE-C" at 95.625,161.5 h1 r270; Top Overlay "USB 3.0" at 119.65,85.75 h1; Top Overlay "USB 2.0" at 108.9,83.959 h1